# KiCad board keyball61_right.kicad_pcb
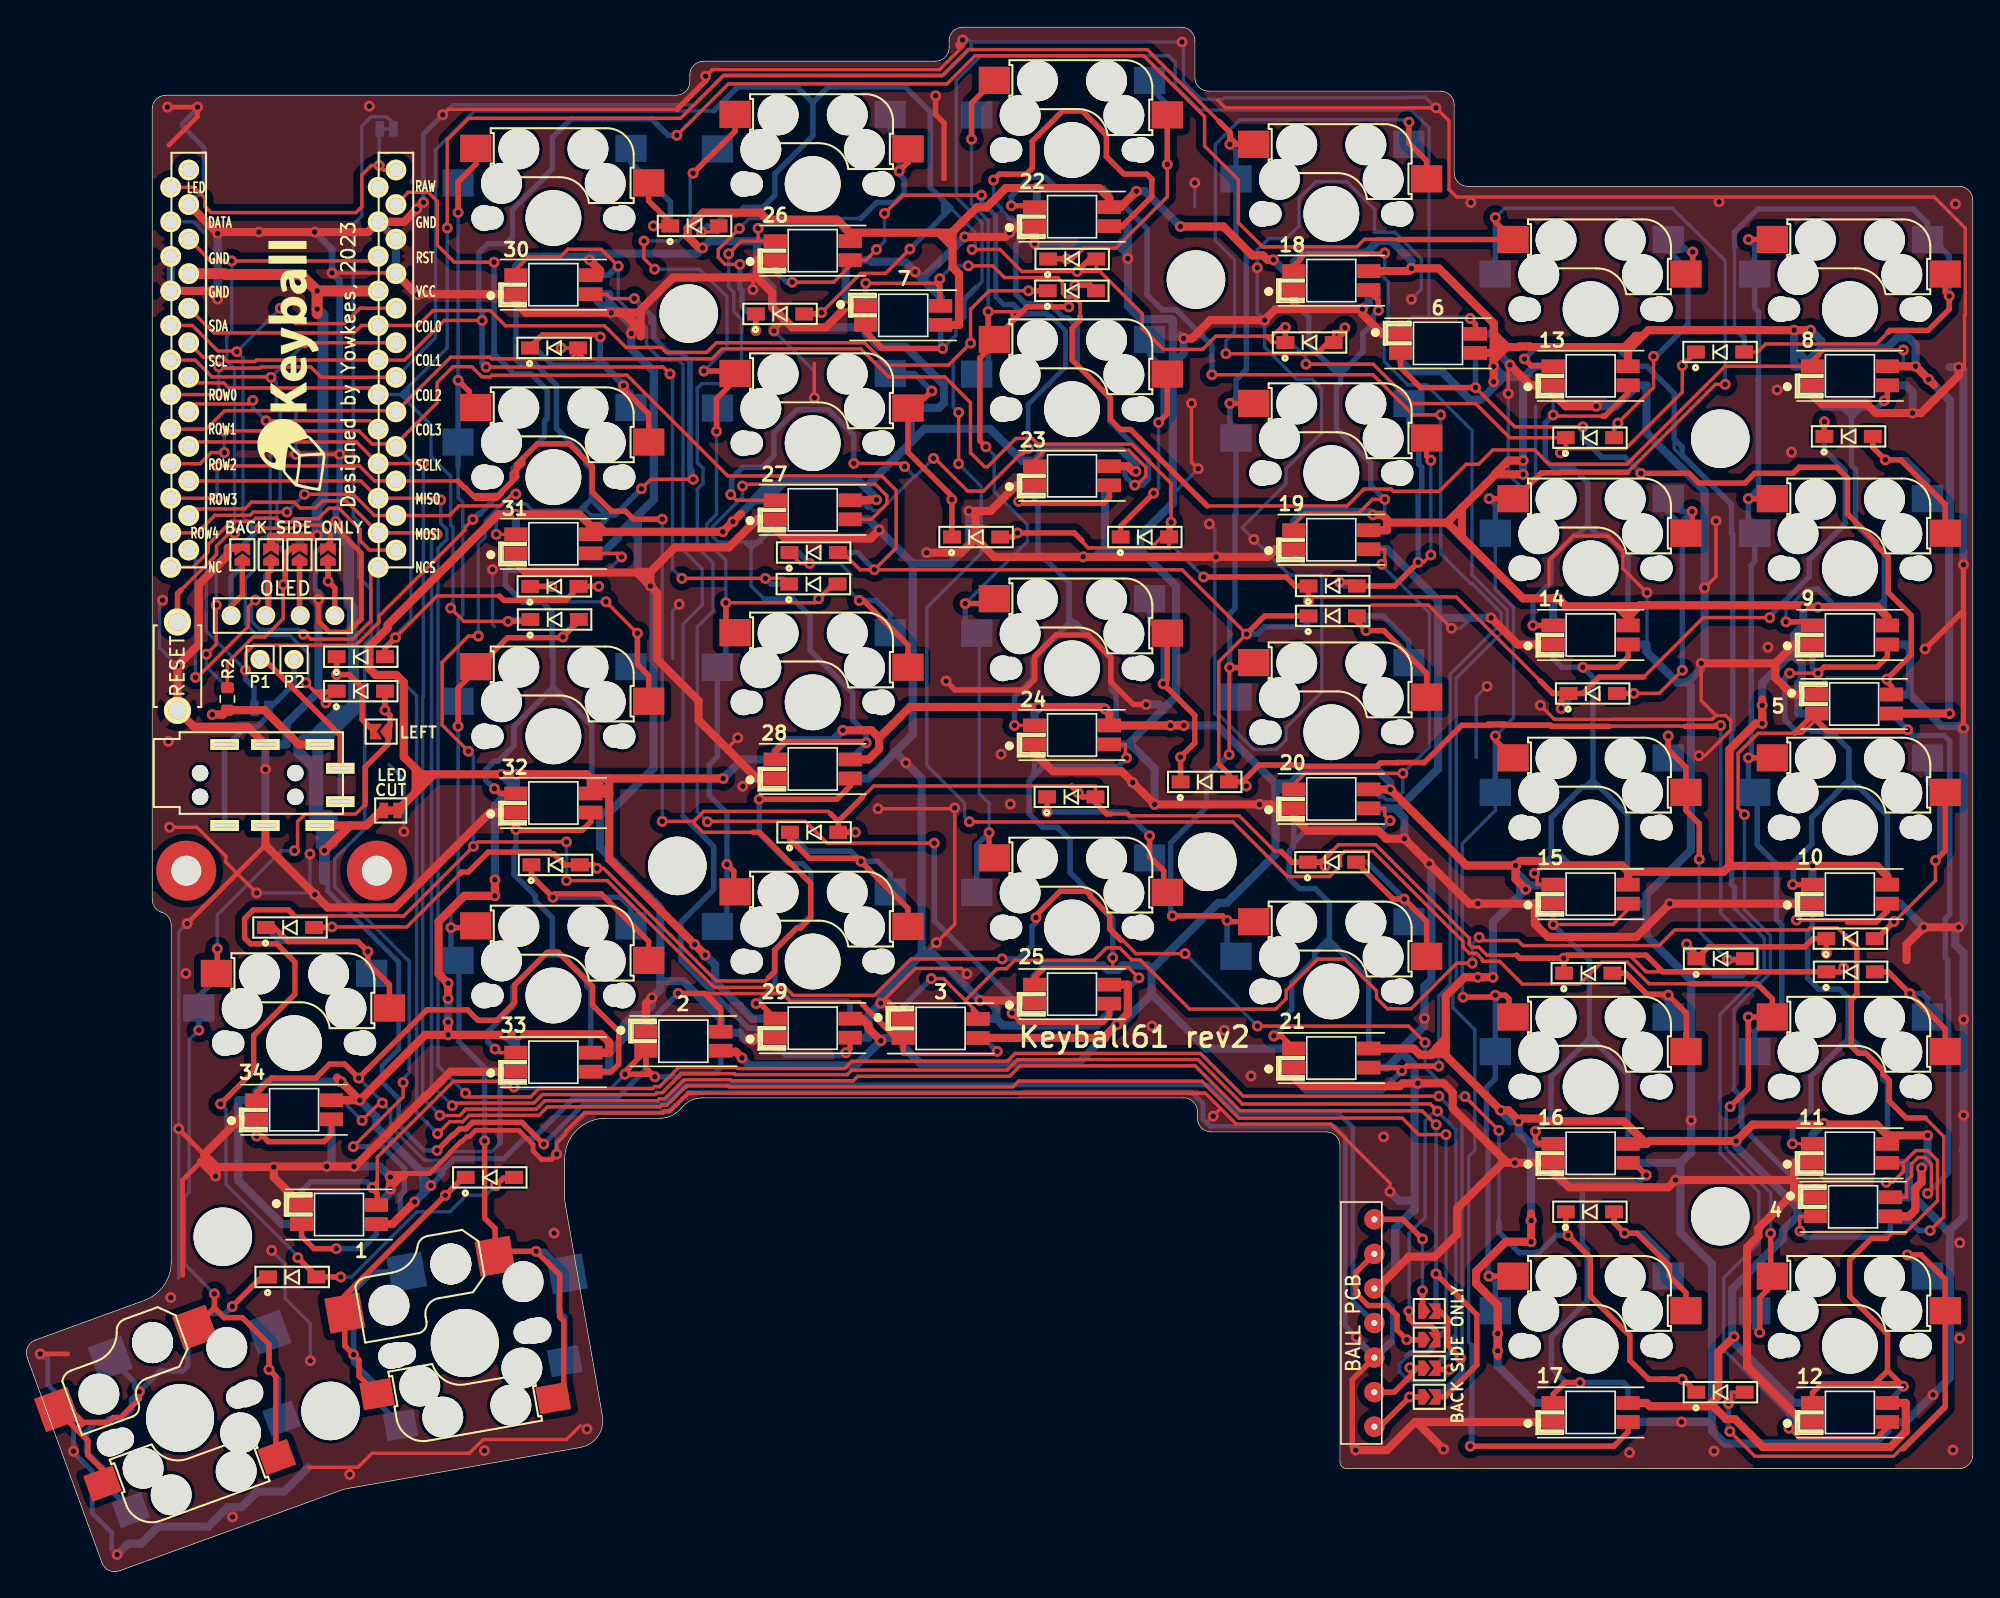
[diagram p0: board, top side]
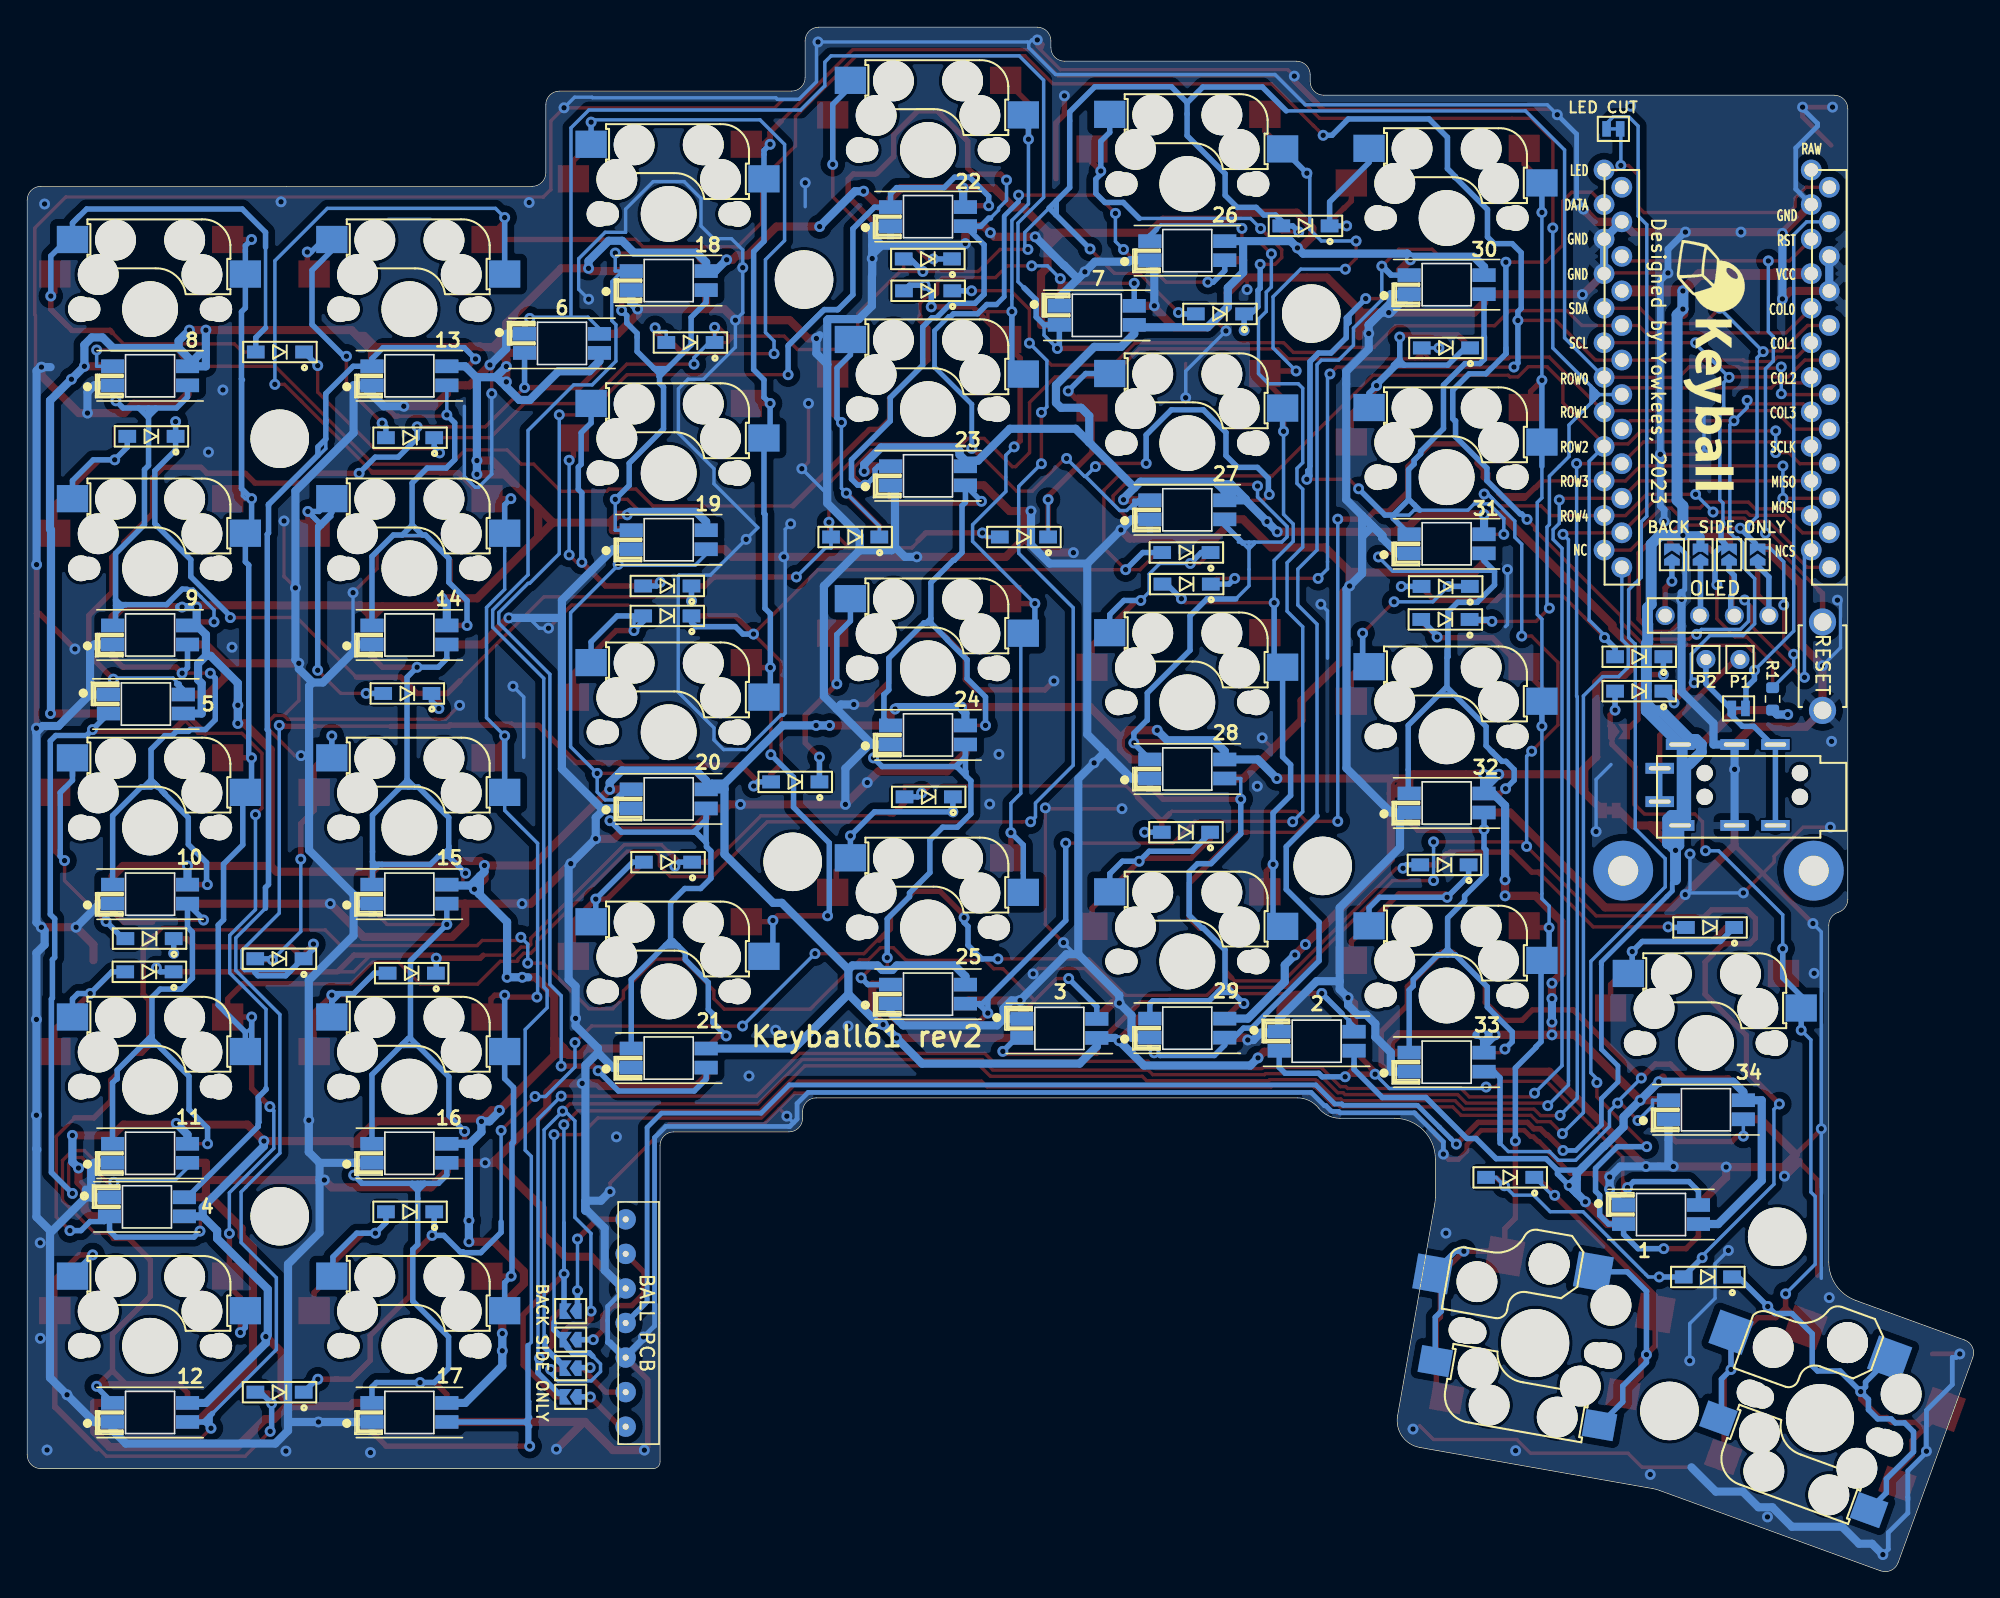
[diagram p1: board, bottom side, seen from below]

Outline 142.93 x 113.46 mm; copper layers: Top, Bottom. Coordinates in mm from the lower left corner of the outline.
Outline path: 0,15.68 arc(0.03,16.44) 0.6,16.96 8.61,19.88 arc(10.04,20.98) 10.58,22.7 10.58,47.45 arc(10.39,48.04) 9.88,48.41 arc(9.38,48.77) 9.18,49.36 9.18,84.41 9.18,107.46 arc(9.48,108.17) 10.18,108.46 47.68,108.46 arc(48.39,108.76) 48.68,109.46 48.68,109.96 arc(48.97,110.67) 49.68,110.96 66.73,110.96 arc(67.44,111.26) 67.73,111.96 67.73,112.46 arc(68.02,113.17) 68.73,113.46 84.78,113.46 arc(85.49,113.17) 85.78,112.46 85.78,109.76 arc(86.07,109.06) 86.78,108.76 103.83,108.76 arc(104.54,108.47) 104.83,107.76 104.83,102.76 arc(105.12,102.06) 105.83,101.76 123.88,101.76 141.93,101.76 arc(142.64,101.47) 142.93,100.76 142.93,8.51 arc(142.64,7.81) 141.93,7.51 123.88,7.51 96.94,7.51 arc(96.59,7.66) 96.44,8.01 96.44,31.26 arc(96.15,31.97) 95.44,32.26 86.97,32.26 arc(86.26,32.56) 85.97,33.26 85.97,33.76 arc(85.68,34.47) 84.97,34.76 49.62,34.76 arc(48.75,34.57) 48.05,34.01 arc(47.36,33.46) 46.49,33.26 42.48,33.26 arc(40.36,32.39) 39.48,30.26 39.48,27.48 arc(39.49,27.22) 39.52,26.96 42.25,11.39 arc(41.92,9.89) 40.63,9.07 23.52,6.05 arc(23.27,5.99) 23.02,5.91 6.77,0 arc(6.01,0.03) 5.49,0.6 0,15.68

## Placement (name value [footprint] x y rotation side)
1  YS-SK6812MINI-E  [YS-SK6812MINI-Keyball-BL]  22.9 26.19 0 top
2  YS-SK6812MINI-E  [YS-SK6812MINI-Keyball-BL]  48.2 38.93 0 top
3  YS-SK6812MINI-E  [YS-SK6812MINI-Keyball-BL]  67.1 39.87 0 top
4  YS-SK6812MINI-E  [YS-SK6812MINI-Keyball-BL]  134.13 26.75 0 top
5  YS-SK6812MINI-E  [YS-SK6812MINI-Keyball-BL]  134.21 63.71 0 top
6  YS-SK6812MINI-E  [YS-SK6812MINI-Keyball-BL]  103.64 90.22 0 top
7  YS-SK6812MINI-E  [YS-SK6812MINI-Keyball-BL]  64.35 92.28 0 top
8  YS-SK6812MINI-E  [YS-SK6812MINI-Keyball-TL]  133.9 87.84 0 top
9  YS-SK6812MINI-E  [YS-SK6812MINI-Keyball-TL]  133.9 68.79 0 top
10  YS-SK6812MINI-E  [YS-SK6812MINI-Keyball-TL]  133.9 49.74 0 top
11  YS-SK6812MINI-E  [YS-SK6812MINI-Keyball-TL]  133.9 30.69 0 top
12  YS-SK6812MINI-E  [YS-SK6812MINI-Keyball-TL]  133.9 11.64 0 top
13  YS-SK6812MINI-E  [YS-SK6812MINI-Keyball-TL]  114.85 87.84 0 top
14  YS-SK6812MINI-E  [YS-SK6812MINI-Keyball-TL]  114.85 68.79 0 top
15  YS-SK6812MINI-E  [YS-SK6812MINI-Keyball-TL]  114.85 49.74 0 top
16  YS-SK6812MINI-E  [YS-SK6812MINI-Keyball-TL]  114.85 30.69 0 top
17  YS-SK6812MINI-E  [YS-SK6812MINI-Keyball-TL]  114.85 11.64 0 top
18  YS-SK6812MINI-E  [YS-SK6812MINI-Keyball-TL]  95.8 94.84 0 top
19  YS-SK6812MINI-E  [YS-SK6812MINI-Keyball-TL]  95.8 75.79 0 top
20  YS-SK6812MINI-E  [YS-SK6812MINI-Keyball-TL]  95.8 56.74 0 top
21  YS-SK6812MINI-E  [YS-SK6812MINI-Keyball-TL]  95.8 37.69 0 top
22  YS-SK6812MINI-E  [YS-SK6812MINI-Keyball-TL]  76.75 99.54 0 top
23  YS-SK6812MINI-E  [YS-SK6812MINI-Keyball-TL]  76.75 80.49 0 top
24  YS-SK6812MINI-E  [YS-SK6812MINI-Keyball-TL]  76.75 61.44 0 top
25  YS-SK6812MINI-E  [YS-SK6812MINI-Keyball-TL]  76.75 42.39 0 top
26  YS-SK6812MINI-E  [YS-SK6812MINI-Keyball-TL]  57.7 97.04 0 top
27  YS-SK6812MINI-E  [YS-SK6812MINI-Keyball-TL]  57.7 77.99 0 top
28  YS-SK6812MINI-E  [YS-SK6812MINI-Keyball-TL]  57.7 58.94 0 top
29  YS-SK6812MINI-E  [YS-SK6812MINI-Keyball-TL]  57.7 39.89 0 top
30  YS-SK6812MINI-E  [YS-SK6812MINI-Keyball-TL]  38.65 94.54 0 top
31  YS-SK6812MINI-E  [YS-SK6812MINI-Keyball-TL]  38.65 75.49 0 top
32  YS-SK6812MINI-E  [YS-SK6812MINI-Keyball-TL]  38.65 56.44 0 top
33  YS-SK6812MINI-E  [YS-SK6812MINI-Keyball-TL]  38.65 37.39 0 top
34  YS-SK6812MINI-E  [YS-SK6812MINI-Keyball-TL]  19.6 33.89 0 top
BACK SIDE ONLY  Device_Jumper_NO_Small  [Jumper_NEW]  103 14.89 0 top
BACK SIDE ONLY#2  Device_Jumper_NO_Small  [Jumper_NEW]  20 74.69 90 top
BACK SIDE ONLY#3  Device_Jumper_NO_Small  [Jumper_NEW]  103 14.89 0 bottom
BACK SIDE ONLY#4  Device_Jumper_NO_Small  [Jumper_NEW]  22.1 74.69 90 bottom
D1  D  [D3_SMD_v2_BOTH]  124.36 89.59 0 top
D2  D  [D3_SMD_v2_BOTH]  114.8 83.29 0 top
D3  D  [D3_SMD_v2_BOTH]  94.2 90.29 0 top
D4  D  [D3_SMD_v2_BOTH]  76.76 96.43 0 top
D5  D  [D3_SMD_v2_BOTH]  55.3 92.39 0 top
D6  D  [D3_SMD_v2_BOTH]  49.02 98.86 0 top
D7  D  [D3_SMD_v2_BOTH]  133.8 83.39 0 top
D8  D  [D3_SMD_v2_BOTH]  115 64.49 0 top
D9  D  [D3_SMD_v2_BOTH]  95.9 72.39 0 top
D10  D  [D3_SMD_v2_BOTH]  82.1 75.99 0 top
D11  D  [D3_SMD_v2_BOTH]  69.7 75.99 0 top
D12  D  [D3_SMD_v2_BOTH]  38.7 89.89 0 top
D13  D  [D3_SMD_v2_BOTH]  133.94 46.47 0 top
D14  D  [D3_SMD_v2_BOTH]  124.4 44.99 0 top
D15  D  [D3_SMD_v2_BOTH]  95.9 70.19 0 top
D16  D  [D3_SMD_v2_BOTH]  86.5 57.99 0 top
D17  D  [D3_SMD_v2_BOTH]  57.77 74.85 0 top
D18  D  [D3_SMD_v2_BOTH]  38.72 72.36 0 top
D19  D  [D3_SMD_v2_BOTH]  133.95 44.03 0 top
D20  D  [D3_SMD_v2_BOTH]  114.68 43.93 0 top
D21  D  [D3_SMD_v2_BOTH]  95.85 52.09 0 top
D22  D  [D3_SMD_v2_BOTH]  76.7 56.89 0 top
D23  D  [D3_SMD_v2_BOTH]  57.8 54.29 0 top
D24  D  [D3_SMD_v2_BOTH]  38.81 51.89 0 top
D25  D  [D3_SMD_v2_BOTH]  19.3 47.29 0 top
D26  D  [D3_SMD_v2_BOTH]  124.39 13.13 0 top
D27  D  [D3_SMD_v2_BOTH]  114.8 26.39 0 top
D28  D  [D3_SMD_v2_BOTH]  33.98 28.92 0 top
D29  D  [D3_SMD_v2_BOTH]  19.46 21.6 0 top
D30  D  [D3_SMD_v2_BOTH]  24.5 67.19 0 top
D31  D  [D3_SMD_v2_BOTH]  76.74 94.09 0 top
D32  D  [D3_SMD_v2_BOTH]  57.75 72.53 0 top
D33  D  [D3_SMD_v2_BOTH]  38.74 69.93 0 top
D34  D  [D3_SMD_v2_BOTH]  24.5 64.66 0 top
G***  LOGO  [keyball_logo700]  19.72 89.15 90 top
G***#2  LOGO  [keyball_logo700]  19.56 88.06 270 bottom
J1  -  [OLED]  14.98 70.22 0 top
J2  BALL_PCB  [Mac8_L_7pin_contact_NEW2023]  99.17 18.21 270 top
J3  Conn_01x01-Connector_Generic  [MountingHole_2.2mm_M2_Pad]  25.68 51.46 0 top
J4  Conn_01x01-Connector_Generic  [MountingHole_2.2mm_M2_Pad]  11.68 51.46 0 top
J5  Conn_01x01-Connector_Generic  [MountingHole_4.3mm_M4]  85.86 94.91 0 top
J6  Conn_01x01-Connector_Generic  [MountingHole_4.3mm_M4]  48.6 92.41 0 top
J7  Conn_01x01-Connector_Generic  [MountingHole_4.3mm_M4]  47.76 51.81 0 top
J8  Conn_01x01-Connector_Generic  [MountingHole_4.3mm_M4]  14.37 24.55 0 top
J9  Conn_01x01-Connector_Generic  [MountingHole_4.3mm_M4]  124.38 83.21 0 top
J10  Conn_01x01-Connector_Generic  [MountingHole_4.3mm_M4]  124.38 26.06 0 top
J11  Conn_01x01-Connector_Generic  [MountingHole_4.3mm_M4]  22.28 11.75 0 top
J12  Conn_01x01-Connector_Generic  [MountingHole_4.3mm_M4]  86.7 52.11 0 top
J13  TRS_JACK  [TRRS_JACK_MJ4PP9]  11.2 58.64 90 top
JP1  Device_Jumper_NO_Small  [Jumper_NEW]  103 19.09 0 top
JP2  Device_Jumper_NO_Small  [Jumper_NEW]  15.8 74.69 90 top
JP3  Device_Jumper_NO_Small  [Jumper_NEW]  103 16.99 0 top
JP4  Device_Jumper_NO_Small  [Jumper_NEW]  17.9 74.69 90 top
JP7  Device_Jumper_NO_Small  [Jumper_NEW]  103 12.79 0 top
JP8  Device_Jumper_NO_Small  [Jumper_NEW]  22.09 74.69 90 top
JP10  Device_Jumper_NO_Small  [Jumper_NEW]  103 19.09 0 bottom
JP11  Device_Jumper_NO_Small  [Jumper_NEW]  15.8 74.69 90 bottom
JP12  Device_Jumper_NO_Small  [Jumper_NEW]  103 16.99 0 bottom
JP13  Device_Jumper_NO_Small  [Jumper_NEW]  17.9 74.69 90 bottom
JP15  Device_Jumper_NO_Small  [Jumper_NEW]  20 74.69 90 bottom
JP16  Device_Jumper_NO_Small  [Jumper_NEW]  103 12.79 0 bottom
JP18  Device_Jumper  [JP025]  17.2 63.39 180 bottom
JP20  LED CUT  [JP025]  26.4 105.99 0 bottom
LED  CUT  [JP06]  26.7 55.89 180 top
LEFT  Device_Jumper_NO_Small  [Jumper_NEW]  26 61.69 180 top
P1  I2C  [1pin_conn]  17.1 66.99 0 top
P2  I2C  [1pin_conn]  19.6 66.99 0 top
R1  PULL_UP  [R_0603_1608Metric]  14.7 64.09 90 bottom
R2  PULL_UP  [R_0603_1608Metric]  14.7 64.09 90 top
SW1  SW_PUSH-kbd  [CherryMX_MidHeight_Hotswap]  133.9 92.74 0 top
SW2  SW_PUSH-kbd  [CherryMX_MidHeight_Hotswap]  114.85 92.74 0 top
SW3  SW_PUSH-kbd  [CherryMX_MidHeight_Hotswap]  95.8 99.74 0 top
SW4  SW_PUSH-kbd  [CherryMX_MidHeight_Hotswap]  76.75 104.44 0 top
SW5  SW_PUSH-kbd  [CherryMX_MidHeight_Hotswap]  57.7 101.94 0 top
SW6  SW_PUSH-kbd  [CherryMX_MidHeight_Hotswap]  38.65 99.44 0 top
SW7  SW_PUSH-kbd  [CherryMX_MidHeight_Hotswap]  133.9 73.69 0 top
SW8  SW_PUSH-kbd  [CherryMX_MidHeight_Hotswap]  114.85 73.69 0 top
SW9  SW_PUSH-kbd  [CherryMX_MidHeight_Hotswap]  95.8 80.69 0 top
SW10  SW_PUSH-kbd  [CherryMX_MidHeight_Hotswap]  76.75 85.39 0 top
SW11  SW_PUSH-kbd  [CherryMX_MidHeight_Hotswap]  57.7 82.89 0 top
SW12  SW_PUSH-kbd  [CherryMX_MidHeight_Hotswap]  38.65 80.39 0 top
SW13  SW_PUSH-kbd  [CherryMX_MidHeight_Hotswap]  133.9 54.64 0 top
SW14  SW_PUSH-kbd  [CherryMX_MidHeight_Hotswap]  114.85 54.64 0 top
SW15  SW_PUSH-kbd  [CherryMX_MidHeight_Hotswap]  95.8 61.64 0 top
SW16  SW_PUSH-kbd  [CherryMX_MidHeight_Hotswap]  76.75 66.34 0 top
SW17  SW_PUSH-kbd  [CherryMX_MidHeight_Hotswap]  57.7 63.84 0 top
SW18  SW_PUSH-kbd  [CherryMX_MidHeight_Hotswap]  38.65 61.34 0 top
SW19  SW_PUSH-kbd  [CherryMX_MidHeight_Hotswap]  133.9 35.59 0 top
SW20  SW_PUSH-kbd  [CherryMX_MidHeight_Hotswap]  114.85 35.59 0 top
SW21  SW_PUSH-kbd  [CherryMX_MidHeight_Hotswap]  95.8 42.59 0 top
SW22  SW_PUSH-kbd  [CherryMX_MidHeight_Hotswap]  76.75 47.29 0 top
SW23  SW_PUSH-kbd  [CherryMX_MidHeight_Hotswap]  57.7 44.79 0 top
SW24  SW_PUSH-kbd  [CherryMX_MidHeight_Hotswap]  38.65 42.29 0 top
SW25  SW_PUSH-kbd  [CherryMX_MidHeight_Hotswap]  19.6 38.79 0 top
SW26  SW_PUSH-kbd  [CherryMX_MidHeight_Hotswap]  133.9 16.54 0 top
SW27  SW_PUSH-kbd  [CherryMX_MidHeight_Hotswap]  114.85 16.54 0 top
SW28  SW_PUSH-kbd  [MX&Choc_V1_V2_Hotswap_BOTH]  32.15 16.74 190 top
SW29  SW_PUSH-kbd  [MX&Choc_V1_V2_Hotswap_BOTH]  11.23 11.22 200 top
SW30  RESET_SW  [ResetSW]  11.04 66.49 90 top
U1  ProMicro-kbd  [ProMicro_v2_for61]  19.43 88.49 0 top

## Library data of the parts
1-34 = -: Field4: REF**
P1 P2 = -: Field4: **

## Footprints (pads in the part's own frame, mm; a bottom-side part is the same pattern mirrored in y, then rotated)
1pin_conn
  round 1.397 hole 0.813: 1(0,0)
CherryMX_MidHeight_Hotswap
  round 1.9 hole 1.9 unplated: (-5.08,0) (5.08,0)
  round 1.7 hole 1.7 unplated: (-4.5,0) (4.5,0)
  round 3 hole 3 unplated: (-3.81,2.54) (-2.54,5.08) (2.54,5.08) (3.81,2.54)
  round 4.1 hole 4.1 unplated: (0,0)
  rect 2.3x2 smd far side: 1(-7,2.58) 2(5.7,5.12)
  rect 2.3x2 smd: 1(-5.7,5.12) 2(7,2.58)
D3_SMD_v2_BOTH
  rect 1.3x0.95 smd: 1(-1.775,0) 2(1.775,0)
  rect 1.3x0.95 smd far side: 1(-1.775,0) 2(1.775,0)
JP06
  rect 0.4x0.6 smd: (0,0)
  rect 0.635x1.143 smd: 1(-0.5,0) 2(0.5,0)
JP025
  rect 0.381x0.25 smd: (0,0)
  rect 0.635x1.143 smd: 1(-0.5,0) 2(0.5,0)
Jumper_NEW
  custom 0.875x1.143 smd: 1(-0.5,0)
  custom 0.892x1.143 smd: 2(0.5,0)
Mac8_L_7pin_contact_NEW2023
  round 1.5 hole 0.45: 1(-7.62,-0.2) 2(-5.08,-0.2) 3(-2.54,-0.2) 4(0,-0.2) 5(2.54,-0.2) 6(5.08,-0.2) 7(7.62,-0.2)
MountingHole_2.2mm_M2_Pad
  round 4.4 hole 2.2: 1(0,0)
MountingHole_4.3mm_M4
  round 4.3 hole 4.3 unplated: (0,0)
MX&Choc_V1_V2_Hotswap_BOTH
  round 1.9 hole 1.9 unplated: (-5.5,0) (-5.08,0) (5.08,0) (5.5,0)
  round 3 hole 3 unplated: (-5,-3.7) (-3.81,2.54) (-2.54,5.08) (0,-5.9) (0,-5.9) (2.54,5.08) (3.81,2.54) (5,-3.7)
  round 1.7 hole 1.7 unplated: (-4.5,0) (4.5,0)
  round 4.1 hole 4.1 unplated: (0,0)
  round 5 hole 5 unplated: (0,0)
  rect 2.6x2.6 smd far side: 1(-8.3,-3.7) 2(3.3,-5.9)
  rect 2.3x2 smd far side: 1(-7,2.58) 2(5.7,5.12)
  rect 2.3x2 smd: 1(-5.7,5.12) 2(7,2.58)
  rect 2.6x2.6 smd: 1(-3.3,-5.9) 2(8.3,-3.7)
OLED
  round 1.397 hole 1: 1(0,0) 2(2.54,0) 3(5.08,0) 4(7.62,0)
ProMicro_v2_for61
  round 1.524 hole 1: 1(-8.89,13.208) 1(7.656,14.478) 2(-8.89,10.668) 2(7.656,11.938) 3(-8.89,8.128) 3(7.656,9.398) 4(-8.89,5.588) 4(7.656,6.858) 5(-8.89,3.048) 5(7.656,4.318) 6(-8.89,0.508) 6(7.656,1.778) 7(-8.89,-2.032) 7(7.656,-0.762) 8(-8.89,-4.572) 8(7.656,-3.302) 9(-8.89,-7.112) 9(7.656,-5.842) 10(-8.89,-9.652) 10(7.656,-8.382) 11(-8.89,-12.192) 11(7.656,-10.922) 12(-8.89,-14.732) 12(7.656,-13.462) 13(-7.564,-13.462) 13(6.35,-14.732) 14(-7.564,-10.922) 14(6.35,-12.192) 15(-7.564,-8.382) 15(6.35,-9.652) 16(-7.564,-5.842) 16(6.35,-7.112) 17(-7.564,-3.302) 17(6.35,-4.572) 18(-7.564,-0.762) 18(6.35,-2.032) 19(-7.564,1.778) 19(6.35,0.508) 20(-7.564,4.318) 20(6.35,3.048) 21(-7.564,6.858) 21(6.35,5.588) 22(-7.564,9.398) 22(6.35,8.128) 23(-7.564,11.938) 23(6.35,10.668) 24(-7.564,14.478) 24(6.35,13.208)
R_0603_1608Metric
  rrect 0.8x0.95 smd: 1(-0.825,0) 2(0.825,0)
ResetSW
  round 2 hole 1.3: 1(3.25,0) 2(-3.25,0)
TRRS_JACK_MJ4PP9
  round 1.2 hole 1.2 unplated: (-1.75,-1.5) (-1.75,-8.5) (0,-1.5) (0,-8.5)
  rect 0.8x2.1 hole 0.3x1.6: A(-2.1,-11.8) A(0.35,-11.8) B(-3.85,-3.3) B(2.1,-3.3) C(-3.85,-6.3) C(2.1,-6.3) D(-3.85,-10.3) D(2.1,-10.3)
YS-SK6812MINI-Keyball-BL
  rect 1.7x1 smd far side: 1(-2.75,-0.7) 2(-2.75,0.7) 3(2.75,0.7) 4(2.75,-0.7)
  rect 1.7x1 smd: 1(2.75,-0.7) 2(2.75,0.7) 3(-2.75,0.7) 4(-2.75,-0.7)
YS-SK6812MINI-Keyball-TL
  rect 1.7x1 smd far side: 1(-2.75,0.7) 2(-2.75,-0.7) 3(2.75,-0.7) 4(2.75,0.7)
  rect 1.7x1 smd: 1(2.75,0.7) 2(2.75,-0.7) 3(-2.75,-0.7) 4(-2.75,0.7)

## Nets
GND: 1.3 2.3 3.3 4.3 5.3 6.3 7.3 8.3 9.3 10.3 11.3 12.3 13.3 14.3 15.3 16.3 17.3 18.3 19.3 20.3 21.3 22.3 23.3 24.3 25.3 26.3 27.3 28.3 29.3 30.3 31.3 32.3 33.3 34.3 BACK SIDE ONLY#4.2 J2.3 J2.5 J13.C JP2.2 SW30.2 U1.3 U1.4 U1.23
VCC: J2.4 J13.D JP4.2 JP15.2 LED.2 R1.1 R2.1 U1.21
COL0: D31.1 SW1.1 SW7.1 SW13.1 SW19.1 SW26.1 U1.20
COL1: D32.1 SW2.1 SW8.1 SW14.1 SW20.1 SW27.1 U1.19
COL2: D33.1 SW3.1 SW9.1 SW15.1 SW21.1 U1.18
COL3: D34.1 U1.17
DATA: JP18.2 U1.2
LED: JP20.1 U1.1
MISO: JP1.2 JP16.2 U1.15
MOSI: BACK SIDE ONLY#3.2 JP3.2 U1.14
NCS: BACK SIDE ONLY.2 JP12.2 U1.13
RESET: SW30.1 U1.22
ROW0: D1.1 D2.1 D3.1 D4.2 D5.2 D6.2 U1.7
ROW1: D7.1 D8.1 D9.1 D10.2 D11.2 D12.2 U1.8
ROW2: D13.1 D14.1 D15.1 D16.2 D17.2 D18.2 D30.2 U1.9
ROW3: D19.1 D20.1 D21.1 D22.2 D23.2 D24.2 D25.2 U1.10
ROW4: D26.1 D27.1 D28.2 D29.2 U1.11
SCL: BACK SIDE ONLY#2.2 JP13.2 R2.2 U1.6
SCLK: JP7.2 JP10.2 U1.16
SDA: JP8.2 JP11.2 R1.2 U1.5
Net-(D1-Pad2): D1.2 SW1.2
Net-(D2-Pad2): D2.2 SW2.2
Net-(D3-Pad2): D3.2 SW3.2
Net-(D4-Pad1): D4.1 SW4.2
Net-(D5-Pad1): D5.1 SW5.2
Net-(D6-Pad1): D6.1 SW6.2
Net-(D7-Pad2): D7.2 SW7.2
Net-(D8-Pad2): D8.2 SW8.2
Net-(D9-Pad2): D9.2 SW9.2
Net-(D10-Pad1): D10.1 SW10.2
Net-(D11-Pad1): D11.1 SW11.2
Net-(D12-Pad1): D12.1 SW12.2
Net-(D13-Pad2): D13.2 SW13.2
Net-(D14-Pad2): D14.2 SW14.2
Net-(D15-Pad2): D15.2 SW15.2
Net-(D16-Pad1): D16.1 SW16.2
Net-(D17-Pad1): D17.1 SW17.2
Net-(D18-Pad1): D18.1 SW18.2
Net-(D19-Pad2): D19.2 SW19.2
Net-(D20-Pad2): D20.2 SW20.2
Net-(D21-Pad2): D21.2 SW21.2
Net-(D22-Pad1): D22.1 SW22.2
Net-(D23-Pad1): D23.1 SW23.2
Net-(D24-Pad1): D24.1 SW24.2
Net-(D25-Pad1): D25.1 SW25.2
Net-(D26-Pad2): D26.2 SW26.2
Net-(D27-Pad2): D27.2 SW27.2
Net-(D28-Pad1): D28.1 SW28.2
Net-(D29-Pad1): D29.1 SW29.2
Net-(D30-Pad1): D30.1 LEFT.2
Net-(D31-Pad2): D31.2 SW4.1 SW10.1 SW16.1 SW22.1
Net-(D32-Pad2): D32.2 SW5.1 SW11.1 SW17.1 SW23.1
Net-(D33-Pad2): D33.2 SW6.1 SW12.1 SW18.1 SW24.1 SW28.1
Net-(D34-Pad2): D34.2 LEFT.1 SW25.1 SW29.1
Net-(J1-Pad1): J1.1 JP2.1 JP11.1
Net-(J1-Pad2): J1.2 JP4.1 JP13.1
Net-(J1-Pad3): BACK SIDE ONLY#2.1 J1.3 JP15.1
Net-(J1-Pad4): BACK SIDE ONLY#4.1 J1.4 JP8.1
Net-(J2-Pad1): J2.1 JP1.1 JP10.1
Net-(J2-Pad2): J2.2 JP3.1 JP12.1
Net-(J2-Pad6): BACK SIDE ONLY.1 BACK SIDE ONLY#3.1 J2.6
Net-(J2-Pad7): J2.7 JP7.1 JP16.1
Net-(J13-PadA): J13.A P1.1
Net-(J13-PadB): J13.B JP18.1 P2.1
Net-(JP19-Pad1): 1.1 2.1 3.1 4.1 5.1 6.1 7.1 8.1 9.1 10.1 11.1 12.1 13.1 14.1 15.1 16.1 17.1 18.1 19.1 20.1 21.1 22.1 23.1 24.1 25.1 26.1 27.1 28.1 29.1 30.1 31.1 32.1 33.1 34.1 LED.1
Net-(JP20-Pad2): 1.4 JP20.2
Net-(LED1-Pad2): 1.2 2.4
Net-(LED2-Pad2): 2.2 3.4
Net-(LED3-Pad2): 3.2 4.4
Net-(LED4-Pad2): 4.2 5.4
Net-(LED5-Pad2): 5.2 6.4
Net-(LED6-Pad2): 6.2 7.4
Net-(LED7-Pad2): 7.2 8.4
Net-(LED8-Pad2): 8.2 9.4
Net-(LED10-Pad2): 10.2 11.4
Net-(LED10-Pad4): 9.2 10.4
Net-(LED11-Pad2): 11.2 12.4
Net-(LED12-Pad2): 12.2 13.4
Net-(LED13-Pad2): 13.2 14.4
Net-(LED14-Pad2): 14.2 15.4
Net-(LED15-Pad2): 15.2 16.4
Net-(LED16-Pad2): 16.2 17.4
Net-(LED17-Pad2): 17.2 18.4
Net-(LED18-Pad2): 18.2 19.4
Net-(LED19-Pad2): 19.2 20.4
Net-(LED20-Pad2): 20.2 21.4
Net-(LED21-Pad2): 21.2 22.4
Net-(LED22-Pad2): 22.2 23.4
Net-(LED23-Pad2): 23.2 24.4
Net-(LED24-Pad2): 24.2 25.4
Net-(LED25-Pad2): 25.2 26.4
Net-(LED26-Pad2): 26.2 27.4
Net-(LED27-Pad2): 27.2 28.4
Net-(LED28-Pad2): 28.2 29.4
Net-(LED29-Pad2): 29.2 30.4
Net-(LED30-Pad2): 30.2 31.4
Net-(LED31-Pad2): 31.2 32.4
Net-(LED32-Pad2): 32.2 33.4
Net-(LED33-Pad2): 33.2 34.4
Net-(LED34-Pad2): 34.2
Net-(U1-Pad12): U1.12
Net-(U1-Pad24): U1.24

Pads without a net: J3 1; J4 1

## Via types
v1: diameter 0.8, hole 0.4, Top to Bottom, 548 vias
